# Altium PCB Logic.PcbDoc-4LayerBackup-214701022020.PcbDoc (continued)
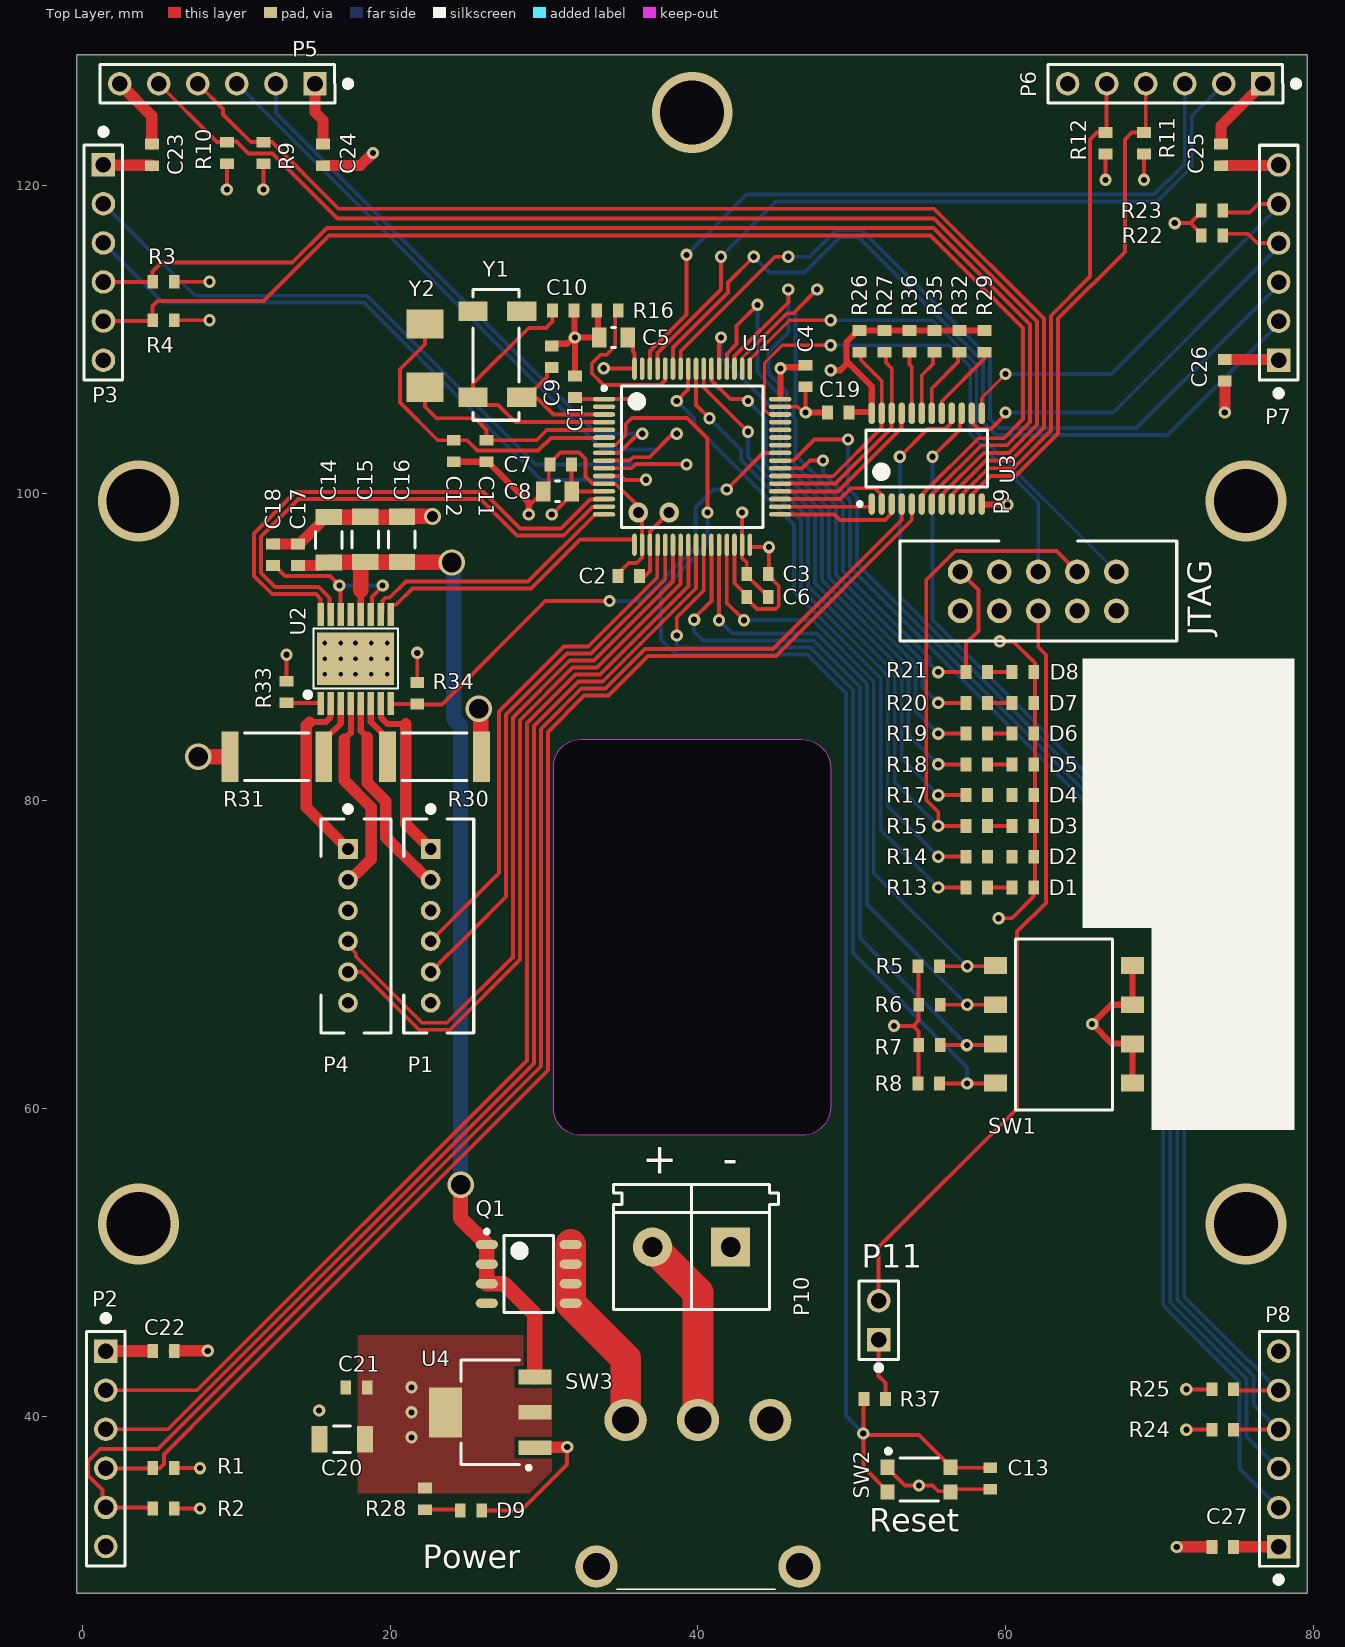
[diagram p0: Top Layer view]
## Footprints (in the part's own frame and the unit in brackets; to place one, negate y for a bottom-side part, rotate by r counter-clockwise, add the part's x,y. Pads: shape width x height; smd on the part's side, far side on the other; paste and mask are expansions set on the pad) (continued)
  silkscreen extent -5.85,-4.6 4.6,4.6, body extent -5,-5 5,5, height 1.6
PHOENIX_MKDS_5.08MM_2x1 [mm]
  rect 2.54x2.54 hole 1.27: 1(0,0)
  round 2.54 hole 1.27: 2(5.08,0)
  silkscreen extent -3.1,-4.06 7.62,4.06, body extent -3.12,-4.05 7.62,4.05, height 10
smd2-0 [mm] "2-SMD 3.2x5mm"
  rect 1.9x2.4 smd: 1(0,0) 2(4.1,0)
SO-8 [mm] "SO-8 Package"
  oval 1.45x0.6 smd: 1(-2.725,1.905) 2(-2.725,0.635) 3(-2.725,-0.635) 4(-2.725,-1.905) 5(2.725,-1.905) 6(2.725,-0.635) 7(2.725,0.635) 8(2.725,1.905)
  silkscreen extent -2.85,-2.5 1.6,2.88, body extent -3.08,-2.5 3.08,2.5, height 2
sot-223-4 [mm]
  rect 2.15x0.95 smd: 1(-2.9,2.3) 2(-2.9,0) 3(-2.9,-2.3)
  rect 2.15x3.25 smd: 4(2.9,0)
  silkscreen extent -2.63,-3.4 1.9,3.72, body extent -1.9,-3.4 1.9,3.4, height 1.1
tssop-24_0 [mm] "TSOP, 24-Leads, Body 7.80x4.40mm, Pitch 0.65mm, IPC Medium Density"
  oval 1.4x0.41 smd mask+0.065: 1(-2.95,3.575) 2(-2.95,2.925) 3(-2.95,2.275) 4(-2.95,1.625) 5(-2.95,0.975) 6(-2.95,0.325) 7(-2.95,-0.325) 8(-2.95,-0.975) 9(-2.95,-1.625) 10(-2.95,-2.275) 11(-2.95,-2.925) 12(-2.95,-3.575) 13(2.95,-3.575) 14(2.95,-2.925) 15(2.95,-2.275) 16(2.95,-1.625) 17(2.95,-0.975) 18(2.95,-0.325) 19(2.95,0.325) 20(2.95,0.975) 21(2.95,1.625) 22(2.95,2.275) 23(2.95,2.925) 24(2.95,3.575)
  silkscreen extent -3.07,-3.95 1.85,4.47, body extent -3.21,-3.85 3.22,3.85, height 1.11

## Part data
C1 C2 C3 C4 C7 C13 C17 C19 C21 C22 C23 C24 C25 C26 C27: library part CAP-00542, "CAP, 0.1uF, ±10%, 16V, X7R, 0603", Capacitance=0.1uF, Manufacturer=Murata, Tolerance=±10%, Voltage Rating=16V, Part Number=CAP-00542, Type=X7R
C5: library part CAP-00126, "CAP, 4.7uF, 10%, 10V, X7R, 0805", Capacitance=4.7uF, Manufacturer=Murata, Manufacturer PN=GRM21BR71A475KA73K, Tolerance=10%, Voltage Rating=10V, Part Number=CAP-00126, Type=X7R
C6 C18: library part CAP-00531, "CAP, 2.2uF, ±10%, 10V, X7R, 0603", Capacitance=2.2uF, Manufacturer=Murata, Manufacturer PN=GRM188R71A225KE15J, Tolerance=±10%, Voltage Rating=10V, Part Number=CAP-00531, Type=X7R
C8: library part CAP-00107, "CAP, 1uF, 10%, 16V, X7R, 0805", Capacitance=1uF, Manufacturer=Murata, Manufacturer PN=GRM21BR71C105KA01L, Tolerance=10%, Voltage Rating=16V, Part Number=CAP-00107, Type=X7R
C9 C10: library part CAP-00538, "CAP, 6pF, ±10%, 50V, C0G, 0603", Capacitance=6pF, Tolerance=±10%, Voltage Rating=50V, Part Number=CAP-00538, Type=C0G
C11 C12: library part CAP-00402, "CAP, 8pF, ±0.1pF, 50V, C0G, 0603", Capacitance=8pF, Manufacturer=Murata, Manufacturer PN=GRM1885C1H8R0BA01D, Tolerance=±0.1pF, Voltage Rating=50V, Part Number=CAP-00402, Type=C0G
C14 C15 C16 C20: library part CAP-00539, "CAP, 10uF, ±10%, 25V, X7R, 1206", Capacitance=10uF, Manufacturer=Samsung, Manufacturer PN=CL31B106KAHNNNE, Tolerance=±10%, Voltage Rating=25V, Part Number=CAP-00539, Type=X7R
D1 D2 D3 D4 D5 D6 D7 D8: library part DIO-00050, "LED, Green, 0603, Low current, HELI2 Series", Current Rating=30mA, Forward Voltage=2.65V, Manufacturer=Kingbright, Manufacturer PN=APT1608LZGCK, Power Rating=120mW, Reverse Breakdown Voltage=5V, Cost=0.58, Part Number=DIO-00050, Type=LED
D9: library part DIO-00049, "LED, Blue, 0603, Low current, HELI2 Series", Current Rating=30mA, Forward Voltage=2.65V, Manufacturer=Kingbright, Manufacturer PN=APT1608LVBC/D, Power Rating=120mW, Reverse Breakdown Voltage=5V, Cost=0.58, Part Number=DIO-00049, Type=LED
P1 P4: library part CONN-00017, "JST PHR 6x1", Manufacturer=JST, Levels=1, Part Number=CONN-00017, Positions per level=6, Type=Header
P2 P3 P5 P6 P7 P8: library part CONN-00008, "Header 6x1, 0.1\"", Levels=1, Part Number=CONN-00008, Positions per level=6
P9: library part CONN-00054, "Header, 10-pin IDC, 2.54mm Pitch", Manufacturer="CNC Tech", Manufacturer PN=3020-10-0100-00, Cost=0.58, Levels=2, Part Number=CONN-00054, Positions per level=5, Type=Header
P10: library part CONN-00014, "Term Blk, 2 Pos, 0.2\", 10A, 14-30 AWG, Rising Cage Clamp", Current=10, Manufacturer="Phoenix Contact", Manufacturer PN=1729128, Levels=1, Part Number=CONN-00014, Positions per level=2, Type="Terminal Block"
P11: library part CONN-00055, "Header, 2x1, 0.1\"", Manufacturer=Samtec, Manufacturer PN=TSW-102-07-F-S, Cost=0.2, Levels=1, Part Number=CONN-00055, Positions per level=2, Type=Header
Q1: library part XSTR-00033, "XSTR PFET, 8.8A, 30V, 2.5W, SOIC-8", Manufacturer="ON Semi", Manufacturer PN=FDS4435BZ, Max Current=8.8A, Max Power=2.5W, Max Voltage=30V, Part Number=XSTR-00033, Type=PFET, Vgs/Vce=2.1V
R1 R2 R3 R4 R9 R10 R11 R12 R22 R23 R24 R25 R26 R27 R29 R32 R33 R35 R36: library part RES-00284, "RES SMD 1.5K OHM 1% 1/4W 0603", Manufacturer=Panasonic, Manufacturer PN=ERJ-PA3F1501V, Power Rating=0.25W, Resistance=1.5k, Tolerance=1%, Part Number=RES-00284
R5 R6 R7 R8 R16 R37: library part RES-00236, "RES SMD 470 OHM 1% 1/4W 0603", Manufacturer=Panasonic, Manufacturer PN=ERJ-PA3F4700V, Power Rating=0.25W, Resistance=470, Tolerance=1%, Part Number=RES-00236
R13 R28: library part RES-00221, "RES SMD 330 OHM 1% 1/4W 0603", Manufacturer=Panasonic, Manufacturer PN=ERJ-PA3F3300V, Power Rating=0.25W, Resistance=330, Tolerance=1%, Part Number=RES-00221
R14 R15 R17 R18 R19 R20 R21: library part RES-00221, "RES SMD 330 OHM 1% 1/4W 0603", Manufacturer=Panasonic, Manufacturer PN=ERJ-PA3F3300V, Tolerance=1%, Part Number=RES-00221
R30 R31: library part RES-00692, "RES SMD 0.33 OHM 1% 1W 2512", Manufacturer=Panasonic, Manufacturer PN=ERJ-1TRQFR33U, Power Rating=1W, Resistance=0.33, Tolerance=1%, Cost=0.64, Part Number=RES-00692
R34: library part RES-00306, "RES SMD 10K OHM 1% 1/4W 0603", Manufacturer=Panasonic, Manufacturer PN=ERJ-PA3F1002V, Power Rating=0.25W, Resistance=10k, Tolerance=1%, Cost=0.144, Part Number=RES-00306
SW1: library part MISC-00026, "DIP Switch, SMD, 25mA, 24V", Manufacturer=Omron, Manufacturer PN=A6S-4104-H, Cost=1.51, Part Number=MISC-00026
SW2: library part MISC-00024, "Switch, SPST, Tactile, 32V 50mA", Manufacturer=C&K, Manufacturer PN="KMR621NG LFS", Cost=0.33, Part Number=MISC-00024
SW3: library part MISC-00033, "Switch, SPDT, 120VAC/28VDC, 5A, Horizontal Slide Switch", Current Rating=*A, Manufacturer=E-Switch, Manufacturer PN=500SSP1S1M6QEA, ComponentLink1Description="Manufacturer Link", ComponentLink1URL=http://www.apem.com, Cost=3.93, Part Number=MISC-00033
U1: library part UCTRL-00002, "STM32F4 Series, 32-bit ARM M4, 180MHz, LQFP64", Manufacturer=ST, Manufacturer PN=STM32F446RET6, Part Number=UCTRL-00002
U2: library part MISC-00022, "IC, Motor Driver, Quad Half-Bridge, 4-18V", Manufacturer=TI, Manufacturer PN=DRV8848PWPR, Cost=1.53, Part Number=MISC-00022
U3: library part IFACE-00001, "I2C 8-Channel Mux with Reset, TCA9548A", Manufacturer=TI, Cost=1.55, Manufacturer PN=TCA9548A, Part Number=IFACE-00001
U4: library part PWREG-00018, "REG, Linear, Fixed 3V3, 800mA, SOT-223", Manufacturer=TI, Manufacturer PN=LM1117MPX-3.3/NOPB, Max Current=800mA, Voltage Range In="4.5 - 15V", Voltage Range Out=3.3V, Cost=1.14, Fixed/Adj=Fixed, Part Number=PWREG-00018, Reg Type=Linear
Y1: library part OSC-00003, "XTAL, 32.768kHz, 6pF, 20ppm", Frequency=32.768k, Load Capacitance=6pF, Manufacturer=Abracon, Manufacturer PN=ABS25-32.768KHZ-6-T, Tolerance=20ppm, ESR=50k, Part Number=OSC-00003, Stability=*ppm
Y2: library part OSC-00000, "XTAL, 16MHz, 8pF, 50, 20ppm", Frequency=16M, Load Capacitance=8pF, Manufacturer=NDK, Manufacturer PN=NX5032GA-16MHZ-STD-CSK-4, Tolerance=20ppm, ESR=50, Part Number=OSC-00000, Stability=30ppm

## Via types
v1: diameter 0.8, hole 0.4, Top Layer to Bottom Layer, 84 vias
v2: diameter 0.61, hole 0.305, Top Layer to Bottom Layer, 15 vias
v3: diameter 5.25, hole 4.167, Top Layer to Bottom Layer, 5 vias
v4: diameter 1.72, hole 1.27, Top Layer to Bottom Layer, 4 vias
v5: diameter 1.27, hole 0.712, Top Layer to Bottom Layer, 2 vias
v6: diameter 1.1, hole 0.711, Top Layer to Bottom Layer, 1 vias

## Nets (pads, with @x,y where several pads share a name; then routed paths per layer and width w, separated by ;. In a path a pad name is that pad's centre, name@x,y a point inside that pad or via, vN(x,y) a via of type N, cw(c..) or ccw(c..) an arc to the next point about the centre after c; other vN are vias at no path point)
GND: C1.2 C2.2 C3.2 C4.2 C5.2 C6.2 C7.2 C8.2 C9.2 C10.2 C11.2 C12.2 C13.2 C14.2 C15.2 C16.2 C17.2 C18.2 C19.2 C20.2 C21.2 C22.2 C23.2 C24.2 C25.2 C26.2 C27.2 D1.1 D2.1 D3.1 D4.1 D5.1 D6.1 D7.1 D8.1 D9.1 P1.6 P2.6 P3.6 P4.6 P5.6 P6.6 P7.6 P8.6 P9.10 P10.1 Q1.4 R5.2 R6.2 R7.2 R8.2 R16.2 R30.2 R31.2 SW2.1 SW2.3 U1.12 U1.18 U1.31 U1.47 U1.63 U2.13 U2.17 U3.12 U4.1 | length 134.6
  Top Layer w0.254: C22.2@5.925,43.95 C22.2@5.925,44.25 ; D9.1@25.95,33.625 26.2,33.875 28.5,33.875 31.475,36.85 31.475,37.975 v1(31.5,38) ; v1(29,98.625) 29,99.175 C8.2 30.298,100.473 30.298,101.798 C7.2 30.375,101.975 31.052,102.652 32.26,102.652 32.694,102.219 32.694,101.081 33.142,100.634 33.891,100.634 U1.12 33.909,100.616 34.658,100.616 35.931,99.344 35.931,98.944 v5(36.125,98.75) 36.125,98.475 36.373,98.227 U1.18@36.373,97.152 ; C2.2@34.7,94.5 34.7,94.675 35.502,95.477 36.019,95.477 36.367,95.825 36.367,96.642 U1.18 ; U1.63 U1.63@36.384,108.109 ; U1.31 42.875,95.8 43.175,95.5 C3.2 43.175,94.65 44.252,93.573 44.352,93.573 44.575,93.35 C6.2 ; U1.31@42.875,96.817 v1(42.875,98.75) ; U1.47 46.477,105.625 46.852,105.25 v1(47,105.25) C4.2 ; SW2.1 52.325,36.625 53.45,35.5 v1(54.375,35.5) 55.25,35.5 55.625,35.125 56.425,35.125 SW2.3 56.6,35.25 C13.2 ; v1(52.75,65.375) 54,65.375 ; R8.2 54.325,61.65 54.325,64.1 R7.2 54.35,65.025 54,65.375 ; R5.2 54.325,69.225 54.325,66.775 R6.2 54.35,65.725 54,65.375 ; v1(59.55,72.375) 60.425,72.375 61.825,73.775 D1.1 ; v1(59.625,90.375) 60.5,90.375 61.9,88.975 D5.1@61.9,82.375 ; D1.1@61.9,74.375 D5.1@61.9,82.375 ; D6.1@61.9,84.375 D5.1@61.9,82.375 ; D7.1@61.9,86.375 D5.1@61.9,82.375
  Top Layer w0.4: C12.2 C11.2 26.35,102.05 29,99.4 v1(29,98.625) ; C9.2 30.65,109.725 31.492,109.725 31.892,110.125 v1(32,110.125) ; C10.2 31.975,111.85 31.975,110.15 v1(32,110.125) ; C1.2 v1(32,110.125) ; R16.2 33.5,111.8 33.5,110.2 C5.2 v1(32,110.125) ; v1(47,105.25) C19.2 C19.2@48.5,105.325 ; U3.12 58.45,99.28 58.455,99.275 60.1,99.275 v1(60.125,99.25)
  Top Layer w0.711: C18.2 C17.2 14.089,96.7 C14.2@15.506,98.116 ; C24.2 18.05,121.3 v1(18.875,122.125) ; C25.2 74.005,121.306 77.586,121.306 P7.6@77.625,121.345 ; C26.2@74.155,107.206 74.155,107.295 74.161,107.3 C26.2 ; v1(74.25,105.25) C26.2@74.25,107.05
  Top Layer w0.75: P5.6 4.5,124.53 C23.2 ; C22.2 v1(8.129,44.25) ; v1(15.375,40.375) v1@15.385,40.365 ; C20.2@15.385,38.515 C20.2 ; U4.1 29.425,37.975 v1@31.475,37.975 ; v1(71.125,31.5) C27.2
  Top Layer w1: v4(7.5,82.875) R31.2 ; C14.2 20.725,98.45 C16.2 20.775,98.5 v6(22.75,98.5) ; v4(25.75,86.001) 25.875,85.876 25.875,82.925 R30.2
  other v2: 15.729,88.234 16.77,88.234 17.736,88.234 18.752,88.234 19.793,88.234 15.729,89.25 16.77,89.25 17.736,89.25 18.752,89.25 19.793,89.25 15.729,90.266 16.77,90.266 17.736,90.266 18.752,90.266 19.793,90.266
  other v3: 3.625,52.5 75.625,52.5 3.625,99.5 75.625,99.5 39.625,124.75
I2C_RST: U1.33 U3.3 | length 8.1
  Top Layer w0.254: U1.33 48.878,98.625 49.23,98.273 52.17,98.273 52.57,98.673 52.57,99.249 U3.3@52.56,99.26
I2C_SCL: R27.2 U1.37 U3.22 | length 13.9
  Top Layer w0.254: U1.37 48.954,100.625 52.57,104.241 52.57,105.17 U3.22 52.6,108.125 52.225,108.5 52.225,109.175 R27.2
I2C_SDA: R26.2 U1.38 U3.23 | length 13.5
  Top Layer w0.254: U1.38 47.234,101.125 47.25,101.109 48.796,101.109 51.92,104.233 51.92,104.894 51.95,104.924 U3.23 51.95,107.3 50.6,108.65 50.6,109.175 R26.2
I2C_SEL0: U1.34 U3.1 | length 6.1
  Top Layer w0.2: U3.1@51.25,99.125 51.25,99.25 U3.1
  Top Layer w0.254: U1.34 U3.1@51.25,99.125
I2C_SEL1: U1.35 U3.2 | length 7.6
  Top Layer w0.254: U1.35 49.238,99.625 49.94,100.327 51.52,100.327 51.92,99.927 51.92,99.351 U3.2@51.91,99.34
I2C_SEL2: U1.36 U3.21 | length 10.5
  Top Layer w0.254: U1.36 49.096,100.125 53.22,104.249 53.22,105.17 U3.21
JTAG_RST: P9.6 P11.2 | length 49.6
  Top Layer w0.254: P11.2 51.75,50.989 60.75,59.989 60.75,71.5 62.625,73.375 62.625,89.5 62.125,90 P9.6
JTAG_TCK: P9.1 U1.49 | length 34.8
  Top Layer w0.2: U1.49 43.375,108.675 45.95,111.25 v1(48.625,111.25)
  Bottom Layer w0.2: v1(48.625,111.25) 55.25,111.25 58.103,108.397 58.103,103.997 P9.1
JTAG_TMS: P9.5 U1.46 | length 33.8
  Top Layer w0.2: U1.46 45.331,105.144 44.619,105.144 44.325,105.439 44.325,108.474 45.476,109.625 v1(48.625,109.625)
  Bottom Layer w0.2: v1(48.625,109.625) 56.309,109.625 57.703,108.231 57.703,103.831 62.125,99.409 P9.5
LED_0: R13.1 U1.57 | length 42.7
  Top Layer w0.254: v1(38.625,106) 39.366,106.741 39.366,108.091 U1.57 ; v1(55.625,74.375) R13.1@57.25,74.375
  Bottom Layer w0.254: v1(38.625,106) 39.734,104.891 39.734,104.454 46.257,97.931 46.257,93.597 51.885,87.97 51.885,78.115 v1(55.625,74.375)
LED_1: R14.1 U1.56 | length 40
  Top Layer w0.254: U1.56 39.875,105.75 v1(40.75,104.875) ; v1(55.625,76.375) R14.1
  Bottom Layer w0.254: v1(40.75,104.875) 42.796,102.829 42.796,102.165 46.711,98.25 46.711,93.785 52.339,88.158 52.339,79.661 v1(55.625,76.375)
LED_2: P9.3 R15.1 U1.55 | length 65.1
  Top Layer w0.254: U1.55 40.375,106.875 v1(43.25,104) ; R15.1@57.25,78.375 v1(55.625,78.375) 55.625,79.27 54.844,80.052 54.844,94.364 56.73,96.25 63.31,96.25 P9.3
  Bottom Layer w0.254: v1(43.25,104) 43.25,102.353 47.165,98.438 47.165,93.973 52.793,88.346 52.793,81.207 v1(55.625,78.375)
LED_3: R17.1 U1.54 | length 36.2
  Top Layer w0.254: U1.54 40.884,108.091 40.884,107.342 42.1,106.125 43.126,106.125 v1(43.25,106.001) ; v1(55.625,80.375) R17.1
  Bottom Layer w0.254: v1(43.25,106.001) 44.403,104.848 44.403,101.842 47.619,98.626 47.619,94.161 53.247,88.534 53.247,82.753 v1(55.625,80.375)
LED_4: R18.1 U1.53 | length 37.5
  Top Layer w0.254: U1.53 41.375,110 v1(41.5,110.126) ; v1(55.625,82.375) R18.1
  Bottom Layer w0.254: v1(41.5,110.126) 41.5,108.855 44.857,105.498 44.857,102.03 48.073,98.814 48.073,94.35 53.701,88.722 53.701,84.299 v1(55.625,82.375)
LED_5: R19.1 U1.52 | length 39.5
  Top Layer w0.254: U1.52 41.884,108.109 41.884,109.072 42.516,109.705 42.516,110.891 v1(43.875,112.25) ; v1(55.625,84.375) R19.1
  Bottom Layer w0.254: v1(43.875,112.25) 43.875,107.866 45.311,106.43 45.311,102.218 48.527,99.002 48.527,94.538 54.155,88.91 54.155,85.845 v1(55.625,84.375)
LED_6: R20.1 U1.51 | length 40.4
  Top Layer w0.254: U1.51 42.384,108.109 42.384,108.93 45.875,112.421 v1(45.875,113.25) ; v1(55.625,86.375) R20.1
  Bottom Layer w0.254: v1(45.875,113.25) 45.875,110.466 44.588,109.179 44.588,107.795 45.765,106.618 45.765,102.406 48.981,99.19 48.981,94.726 54.609,89.098 54.609,87.391 v1(55.625,86.375)
LED_7: P9.9 R21.1 U1.50 | length 46
  Top Layer w0.2: U1.50 42.894,108.119 42.894,108.831 43.328,109.265 43.36,109.265
  Top Layer w0.254: 43.36,109.265 45.798,111.702 46.202,111.702 v1(47.75,113.25) ; v1(55.625,88.375) R21.1 57.425,90.259 58.226,91.06 58.226,93.714 P9.9
  Bottom Layer w0.254: v1(47.75,113.25) 46.329,111.829 46.329,105.684 46.219,105.573 46.219,104.927 46.329,104.816 46.329,102.484 49.435,99.378 49.435,94.914 55.063,89.286 55.063,88.937 v1(55.625,88.375)
M0_PWM0: U1.14 U2.16 | length 34.4
  Top Layer w0.254: U2.16 15.475,93.133 15.162,93.446 12.325,93.446 11.144,94.627 11.144,97.373 13.849,100.079 26.046,100.079 28.421,97.704 31.087,97.704 32.985,99.602 33.877,99.602 U1.14
M0_PWM1: U1.15 U2.15 | length 33.7
  Top Layer w0.254: U2.15 16.042,92.212 16.042,93.208 15.351,93.899 12.513,93.899 11.598,94.815 11.598,97.185 14.038,99.625 25.858,99.625 28.233,97.25 31.275,97.25 33.142,99.116 33.891,99.116 U1.15
M0_QA: P4.4 U1.22 | length 47
  Top Layer w0.254: P4.4 17.25,70.6 17.751,70.099 17.751,69.891 22.063,65.579 23.687,65.579 27.974,69.866 27.974,85.433 31.664,89.123 33.245,89.123 38.375,94.253 U1.22
M0_QB: P4.5 U1.23 | length 46.8
  Top Layer w0.254: P4.5 18.125,68.875 21.875,65.125 23.875,65.125 28.428,69.678 28.428,76.125 28.428,85.245 31.852,88.669 33.433,88.669 38.875,94.111 U1.23
M1_PWM0: U1.17 U2.9 | length 18.6
  Top Layer w0.254: U2.9 20.025,92.137 20.103,92.215 20.103,92.591 20.025,92.669 20.108,92.752 20.377,92.752 21.43,93.805 29.147,93.805 32.342,97 35.898,97 35.898,96.65 U1.17
M1_PWM1: U1.16 U2.10 | length 17.7
  Top Layer w0.254: U2.10 19.488,92.242 19.488,93.014 19.68,93.206 19.956,93.206 21.009,94.259 28.959,94.259 33.325,98.625 U1.16
M1_QA: P1.4 U1.20 | length 32.8
  Top Layer w0.254: P1.4 27.066,75.316 27.066,85.809 31.288,90.031 32.869,90.031 37.352,94.515 U1.20@37.352,96.65
M1_QB: P1.5 U1.21 | length 35
  Top Layer w0.254: P1.5 25.171,71.421 27.52,73.77 27.52,85.621 31.476,89.577 33.057,89.577 37.875,94.396 U1.21
MD0_A: P4.1 U2.2 | length 11.8
  Top Layer w0.4: 14.75,85.125 15.797,85.125 16.115,85.443 16.115,86.319 U2.2
  Top Layer w0.75: 14.75,85.125 14.55,84.925 14.55,79.575 P4.1
MD0_B: P4.2 U2.4 | length 13.2
  Top Layer w0.4: 17,84 17.435,84.435 17.435,86.319 U2.4
  Top Layer w0.7: P4.2@17.126,74.875 P4.2
  Top Layer w0.75: 17,84 17,81.343 18.75,79.593 18.75,76.215 17.91,75.375 17.891,75.375 17.391,74.875 P4.2
MD1_A: P1.1 U2.7 | length 11.5
  Top Layer w0.4: U2.7 19.385,86.319 19.385,85.443 19.828,85 21,85
  Top Layer w0.75: 21,85 21,78.5 P1.1
MD1_B: P1.2 U2.5 | length 13.4
  Top Layer w0.4: U2.5 18.075,84.55 18.5,84.125
  Top Layer w0.75: 18.5,84.125 18.5,81.187 19.7,79.987 19.7,77.64 21.729,75.611 21.748,75.611 22.484,74.875 P1.2
MX_FAULT: R34.1 U1.41 U2.8 | length 33.6
  Top Layer w0.25: U2.8 U2.8@20.054,86.3
  Top Layer w0.254: U2.8@20.054,86.3 R34.1 21.775,86.275 23.35,86.275 30.075,93 v1(34.25,93) ; v1(41.875,100.25) 44.241,102.616 45.341,102.616 U1.41
  Bottom Layer w0.254: v1(34.25,93) 36.323,93 39.844,96.521 39.844,99.074 41.02,100.25 v1(41.875,100.25)
NetC9_1: C9.1 U1.3 Y1.1 | length 8.1
  Top Layer w0.254: Y1.1 28.867,106.25 30.177,107.56 30.177,107.952 30.4,108.175 C9.1 ; Y1.1@29.25,106.162 29.567,106.162 30.604,105.125 U1.3
NetC10_1: C10.1 U1.4 Y1.2 | length 18.1
  Top Layer w0.254: C10.1 30.55,111.175 30.125,110.75 29,110.75 25.375,107.125 25.375,106.568 25.692,106.25 Y1.2 25.883,105.742 27.008,105.742 28.125,104.625 U1.4
NetC11_1: C11.1 U1.5 Y2.1 | length 14.5
  Top Layer w0.254: Y2.1 22.25,105.625 23,104.875 25.5,104.875 26.25,104.125 C11.1 29.494,103.45 30.169,104.125 U1.5
NetC12_1: C12.1 U1.6 Y2.2 | length 22.9
  Top Layer w0.254: Y2.2@23.323,110.177 22.5,111 Y2.2 22,111 22.25,110.75 22.25,109.687 20.625,108.062 20.625,105.913 23.088,103.45 C12.1 24.988,103.45 25.665,102.773 29.605,102.773 30.434,103.602 U1.6@34.375,103.602
NetC13_1: C13.1 R37.1 SW2.2 SW2.4 U1.7 | length 100.7
  Top Layer w0.254: U1.7 33.909,103.134 34.658,103.134 35.306,103.782 35.306,104.493 35.704,104.891 39.296,104.891 40.625,103.562 v1(40.625,98.75) ; R37.1 50.75,41.075 v1(50.75,38.875) ; SW2.2 52.325,35.125 50.75,36.7 v1(50.75,38.875) ; C13.1 56.45,36.65 SW2.4 56.425,36.725 54.375,38.775 50.85,38.775 v1(50.75,38.875)
  Bottom Layer w0.254: v1(40.625,98.75) 40.625,96.66 37.609,93.644 37.609,90.499 38.595,89.513 47.131,89.513 49.615,87.029 49.615,40.01 v1(50.75,38.875)
NetC18_1: C18.1 U2.11 U2.14 | length 11.7
  Top Layer w0.254: C18.1@12.275,95.3 C18.1 12.475,95.3 13.157,94.618 16.07,94.618 v1(16.687,94) ; v1@16.763,93.862 16.763,92.142 U2.14 ; U2.11 18.808,92.212 18.808,93.263 19.5,93.955 v1(19.5,94)
  Bottom Layer w0.254: v1(16.687,94) v1(19.5,94)
NetD1_2: D1.2 R13.2 | length 1.7
  Top Layer w0.254: R13.2 D1.2@60.5,74.375
NetD2_2: D2.2 R14.2
NetD3_2: D3.2 R15.2 | length 1.7
  Top Layer w0.254: R15.2 D3.2@60.5,78.375
NetD4_2: D4.2 R17.2
NetD5_2: D5.2 R18.2 | length 1.7
  Top Layer w0.254: R18.2 D5.2@60.5,82.375
NetD6_2: D6.2 R19.2 | length 1.6
  Top Layer w0.254: R19.2 D6.2
NetD7_2: D7.2 R20.2 | length 1.6
  Top Layer w0.254: R20.2 D7.2
NetD8_2: D8.2 R21.2 | length 1.6
  Top Layer w0.254: R21.2 D8.2
NetD9_2: D9.2 R28.2 | length 2.3
  Top Layer w0.254: R28.2 24.5,33.925 D9.2
NetP10_2: P10.2 SW3.2 | length 12.5
  Top Layer w2: P10.2 40,48.045 SW3.2
NetP11_1: P11.1 R37.2 | length 4
  Top Layer w0.254: P11.1 51.75,42.625 52.2,42.175 R37.2
NetQ1_5: Q1.5 Q1.6 Q1.7 Q1.8 SW3.3 | length 12.9
  Top Layer w2: Q1.8 Q1.7 Q1.6 Q1.5 35.3,43.77 SW3.3
NetR16_1: R16.1 U1.60 | length 11
  Top Layer w0.254: R16.1 34.623,111.673 34.623,109.586 34.044,109.007 33.652,109.007 33.094,108.449 33.094,107.802 33.847,107.048 37.573,107.048 37.866,107.342 37.866,108.091 U1.60
NetR29_1: R29.1 U3.17 | length 5.1
  Top Layer w0.254: U3.17 55.85,105.975 58.625,108.75 R29.1
NetR30_1: R30.1 U2.6 | length 3.9
  Top Layer w0.4: U2.6 18.725,85.15 R30.1@19.825,84.05
  Top Layer w0.7: R30.1 R30.1@19.825,84.05
NetR31_1: R31.1 U2.3 | length 3.9
  Top Layer w0.4: R31.1@15.875,84.125 16.775,85.025 U2.3
  Top Layer w0.7: R31.1 15.875,83.075 R31.1@15.875,84.125
NetR32_1: R32.1 U3.18 | length 4.8
  Top Layer w0.254: U3.18 55.2,106.825 56.9,108.525 56.9,109.175 R32.1
NetR33_1: R33.1 U2.1 | length 2.2
  Top Layer w0.254: R33.1 15.429,86.375 U2.1
NetR35_1: R35.1 U3.19 | length 4.4
  Top Layer w0.254: U3.19 54.579,105.229 54.579,105.76 54.55,105.789 54.55,107.675 55.275,108.4 55.275,109.175 R35.1
NetR36_1: R36.1 U3.20 | length 4
  Top Layer w0.254: R36.1 53.75,108.375 53.9,108.225 U3.20
OPT_A: R8.1 SW1.8 U1.26 | length 52.2
  Top Layer w0.254: v1(38.625,90.75) 38.625,91.935 40.375,93.685 U1.26 ; R8.1 59.305,61.625 SW1.8
  Bottom Layer w0.254: v1(38.625,90.75) 38.625,90.125 38.783,89.967 47.319,89.967 50.069,87.217 50.069,70.102 57.5,62.671 v1(57.5,61.625)
OPT_B: R7.1 SW1.7 U1.27 | length 48.2
  Top Layer w0.254: v1(39.75,91.781) 39.75,91.875 40.875,93 U1.27 ; R7.1@55.7,64.125 v1(57.483,64.125) 59.265,64.125 SW1.7
  Bottom Layer w0.254: v1(39.75,91.781) 39.75,91 40.329,90.421 47.507,90.421 50.523,87.405 50.523,71.102 57.483,64.143 v1(57.483,64.125)
OPT_C: R6.1 SW1.6 U1.28 | length 43.4
  Top Layer w0.254: v1(41.375,91.75) U1.28 ; R6.1 v1(57.505,66.75) ; v1@57.525,66.75 SW1.6
  Bottom Layer w0.254: v1(41.375,91.75) 42.25,90.875 47.695,90.875 50.977,87.593 50.977,73.273 57.5,66.75 v1(57.505,66.75) v1@57.525,66.75
OPT_D: R5.1 SW1.5 U1.29 | length 40.2
  Top Layer w0.254: U1.29 41.875,92.875 v1(43,91.75) ; R5.1 v1(57.505,69.25) 59.31,69.25 SW1.5
  Bottom Layer w0.254: v1(43,91.75) 47.462,91.75 51.431,87.781 51.431,75.324 v1(57.505,69.25)
S0_INT: P2.2 U1.24 | length 75.1
  Top Layer w0.254: P2.2 7.444,41.69 28.882,63.128 28.882,76.313 28.882,85.057 32.04,88.215 33.621,88.215 39.375,93.969 U1.24
S0_SCL: P2.4 R1.2 U3.5 | length 92.2
  Top Layer w0.254: P2.4 4.989,36.61 5.277,36.898 5.277,37.523 8.987,41.233 29,61.246 30.244,62.49 30.244,76.877 30.244,84.493 32.604,86.853 34.185,86.853 36.753,89.421 45.063,89.421 53.9,98.258 U3.5
S0_SDA: P2.5 R2.2 U3.4 | length 98.7
  Top Layer w0.254: R2.2 4.484,34.07 P2.5 1.284,34.289 1.284,35.213 0.361,36.137 0.361,37.083 1.133,37.856 4.894,37.856 29.79,62.752 29.79,76.689 29.79,84.681 32.416,87.307 33.997,87.307 36.565,89.875 44.875,89.875 53.25,98.25 U3.4
S0_XS: P2.3 U1.25 | length 76.7
  Top Layer w0.254: P2.3 5.546,39.15 29.336,62.94 29.336,76.501 29.336,84.869 32.228,87.761 33.809,87.761 39.875,93.827 U1.25
S1_INT: P3.2 U1.10 | length 50.4
  Top Layer w0.254: U1.10 35.698,101.625 35.964,101.891 39.235,101.891 v1(39.25,101.876)
  Bottom Layer w0.254: P3.2 7.321,112.844 18.485,112.844 29.453,101.876 v1(39.25,101.876)
S1_SCL: P3.4 R3.2 U3.7 | length 80
  Top Layer w0.254: P3.4 4.535,113.735 R3.2 4.55,114.425 5.125,115 13.625,115 15.875,117.25 55.324,117.25 61.595,110.979 61.595,104.641 60.079,103.125 58.428,103.125 55.318,100.015 55.318,99.955 55.2,99.837 U3.7
S1_SDA: P3.5 R4.2 U3.6 | length 80.4
  Top Layer w0.254: P3.5 R4.2@4.48,111.195 ; R4.2@4.495,111.07 4.55,111.125 4.55,112.175 4.875,112.5 11.767,112.5 16.017,116.75 55.125,116.75 61.141,110.734 61.141,104.829 59.891,103.579 58.232,103.579 54.668,100.015 54.668,99.955 54.55,99.837 U3.6
S1_XS: P3.3 U1.11 | length 44.5
  Top Layer w0.254: U1.11 35,101.125 35.25,100.875 v1(36.625,100.875)
  Bottom Layer w0.254: P3.3 5.235,112.39 18.297,112.39 29.812,100.875 v1(36.625,100.875)
S2_INT: P5.2 U1.8 | length 37.3
  Top Layer w0.254: U1.8 34.875,102.625 36.125,103.875 v1(36.375,103.875)
  Bottom Layer w0.254: P5.2 12.565,124.727 33.417,103.875 v1(36.375,103.875)
S2_SCL: P5.4 R9.2 U3.9 | length 77.1
  Top Layer w0.254: P5.4 9.127,124.983 9.127,124.623 10.925,122.825 R9.2 12.3,122.825 16.625,118.5 55.358,118.5 62.503,111.355 62.503,104.265 60.363,102.125 58.728,102.125 56.618,100.015 56.618,99.955 56.5,99.837 U3.9
S2_SDA: P5.5 R10.2 U3.8 | length 78.9
  Top Layer w0.254: P5.5 8.745,122.825 R10.2 9.425,122.875 10,122.875 10.773,122.102 12.335,122.102 16.562,117.875 55.341,117.875 62.049,111.167 62.049,104.453 60.221,102.625 58.578,102.625 55.968,100.015 55.968,99.955 55.85,99.837 U3.8
S2_XS: P5.3 U1.9 | length 44.3
  Top Layer w0.254: U1.9 35.556,102.125 35.776,102.345 36.845,102.345 38.375,103.875 v1(38.625,103.875)
  Bottom Layer w0.254: P5.3 33.791,102.859 37.359,102.859 38.375,103.875 v1(38.625,103.875)
S3_INT: P6.2 U1.61 | length 48.3
  Top Layer w0.254: U1.61 37.384,108.109 37.384,109.125 41.5,113.241 v1(41.5,115.375)
  Bottom Layer w0.254: v1(41.5,115.375) 45.084,118.959 69.834,118.959 72.104,121.229 72.104,124.539 P6.2
S3_SCL: P6.4 R11.2 U3.11 | length 33.4
  Top Layer w0.254: U3.11@57.8,99.326 57.8,99.837 57.918,99.955 57.918,100.015 59.028,101.125 60.647,101.125 63.411,103.889 63.411,111.355 67.75,115.694 67.75,123 68.2,123.45 R11.2 69.11,123.56 P6.4
S3_SDA: P6.5 R12.2 U3.10 | length 32
  Top Layer w0.254: U3.10@57.15,99.78 57.15,99.837 57.268,99.955 57.268,100.015 58.878,101.625 60.505,101.625 62.957,104.077 62.957,111.543 65.5,114.086 65.5,123 65.95,123.45 R12.2 66.57,123.52 P6.5
S3_XS: P6.3 U1.62 | length 48.5
  Top Layer w0.254: U1.62@36.884,108.109 U1.62 36.875,109.258 39.25,111.633 v1(39.25,115.5)
  Bottom Layer w0.254: v1(39.25,115.5) 43.163,119.413 69.646,119.413 71.65,121.417 P6.3
S4_INT: P7.2 U1.59 | length 55.7
  Top Layer w0.254: U1.59 38.384,108.109 38.384,109.483 41.954,113.053 41.954,113.704 v1(43.625,115.375)
  Bottom Layer w0.254: v1(43.625,115.375) 44.641,114.359 46.938,114.359 49.25,116.671 50.437,116.671 58.53,108.578 58.53,104.641 59.391,103.78 70.53,103.78 77.625,110.875 P7.2@77.625,111.185
S4_SCL: P7.4 R22.2 U3.14 | length 30.1
  Top Layer w0.254: U3.14 57.8,104.663 57.918,104.545 57.918,104.485 58.23,104.173 59.048,104.173 60,105.125 v1(60,105.25) v1@59.747,105.25 ; R22.2 74.125,116.65 74.35,116.875 75.75,116.875 76.36,116.265 P7.4@77.625,116.265
  Bottom Layer w0.254: v1(60,105.25) 67,105.25 77.625,115.875 P7.4@77.625,116.265
S4_SDA: P7.5 R23.2 U3.13 | length 29.6
  Top Layer w0.2: U3.13 58.45,106.2 v1(60,107.75)
  Top Layer w0.254: R23.2 74.125,118.475 74.35,118.25 75.875,118.25 76.43,118.805 P7.5@77.625,118.805
  Bottom Layer w0.254: v1@59.875,107.75 v1(60,107.75) 66.875,107.75 77.625,118.5 P7.5@77.625,118.805
S4_XS: P7.3 U1.58 | length 54.9
  Top Layer w0.254: U1.58 38.884,108.109 38.884,109.259 45,115.375 v1(45.875,115.375)
  Bottom Layer w0.254: v1(45.875,115.375) 47.25,115.375 49,117.125 50.625,117.125 58.984,108.766 58.984,104.829 59.579,104.234 63.859,104.234 63.875,104.25 68.5,104.25 77.625,113.375 P7.3@77.625,113.725
S5_INT: P8.2 U1.39 | length 83.3
  Top Layer w0.254: U1.39 46.774,101.625 47.274,102.125 v1(48.125,102.125)
  Bottom Layer w0.254: v1(48.125,102.125) 48.125,101.33 49.889,99.566 49.889,95.215 70.25,74.855 70.25,47.199 75.217,42.232 75.217,36.593 P8.2
S5_SCL: P8.4 R24.2 U3.16 | length 81.3
  Top Layer w0.254: v1(53.125,102.375) 54.923,104.173 56.07,104.173 56.382,104.485 56.382,104.545 56.5,104.663 U3.16 ; R24.2 74.84,39.14 P8.4
  Bottom Layer w0.254: v1(53.125,102.375) 53.125,93.264 71.158,75.231 71.158,47.575 76.125,42.608 76.125,40.765 P8.4
S5_SDA: P8.5 R25.2 U3.15 | length 76.6
  Top Layer w0.254: v1(55.25,102.375) 57.032,104.157 57.032,104.545 57.15,104.663 U3.15 ; R25.2 74.895,41.68 P8.5
  Bottom Layer w0.254: v1(55.25,102.375) 55.25,91.781 71.612,75.419 71.612,47.763 75.823,43.552 75.878,43.552 P8.5
S5_XS: P8.3 U1.40 | length 83.5
  Top Layer w0.254: U1.40 45.359,102.134 46.211,102.134 47.577,103.5 v1(49.75,103.5)
  Bottom Layer w0.254: v1(49.75,103.5) 49.75,100.347 50.343,99.754 50.343,95.403 70.704,75.043 70.704,47.387 75.671,42.42 75.671,38.679 P8.3
VBAT_SWITCHED: C14.1 C15.1 C16.1 C17.1 Q1.1 Q1.2 Q1.3 U2.12 U4.3 | length 69.4
  Top Layer w0.4: U2.12 18.075,93.7
  Top Layer w0.711: C17.1 14.005,95.305 15.48,95.305 15.675,95.5 C14.1
  Top Layer w0.75: U4.3 U4.3@29.425,42.525
  Top Layer w1: C14.1 16.025,95.525 C15.1@18.15,95.525 ; 18.075,93.7 18.075,95.45 C15.1@18.15,95.525 ; v4(24,95.5) 23.988,95.512 20.763,95.512 C16.1 C15.1 C15.1@18.15,95.525 ; v4(24.567,55.058) 24.567,52.863 Q1.1 Q1.2 Q1.3 27.385,48.615 29.4,46.6 U4.3
  Bottom Layer w1: v4(24,95.5) 24.136,95.364 24.136,85.332 24.567,84.902 v4(24.567,55.058)
VCC: C1.1 C2.1 C3.1 C4.1 C5.1 C6.1 C7.1 C8.1 C19.1 C20.1 C21.1 C22.1 C23.1 C24.1 C25.1 C26.1 C27.1 P1.3 P2.1 P3.1 P4.3 P5.1 P6.1 P7.1 P8.1 P9.4 R1.1 R2.1 R3.1 R4.1 R9.1 R10.1 R11.1 R12.1 R22.1 R23.1 R24.1 R25.1 R26.1 R27.1 R28.1 R29.2 R32.2 R33.2 R34.2 R35.2 R36.2 SW1.1 SW1.2 SW1.3 SW1.4 U1.1 U1.13 U1.19 U1.30 U1.32 U1.48 U1.64 U3.24 U4.2 U4.4 | length 109.6
  Top Layer w0.254: R4.1@5.95,111.125 6.075,111.25 v1(8.25,111.25) ; R3.1 v1(8.25,113.75) v1@8.375,113.75 ; R2.1 v1(7.629,34) ; R1.1 v1(7.629,36.625) ; v1(9.375,119.75) R10.1 ; v1(11.75,119.75) R9.1 ; R33.2 v1(13.25,89.5) ; R34.2 v1(21.75,89.625) ; v1(30.5,98.625) 32,100.125 U1.13 ; C7.1 31.775,100.15 C8.1 ; C1.1 32.091,106.134 33.891,106.134 U1.1 33.909,106.116 35.884,106.116 v1(36,106) ; v1(33.875,108.125) 35.854,108.125 35.866,108.137 35.866,109.125 35.773,109.218 35.773,109.777 C5.1 ; C2.1@36.55,94.625 36.875,94.95 U1.19 36.881,96.656 36.881,97.506 v5(38.125,98.75) ; U1.30 42.375,94.15 43.175,93.35 C6.1 43.175,93.15 43.852,92.473 45.06,92.473 45.252,92.665 45.252,93.973 44.575,94.65 C3.1 ; U1.32 43.375,96.521 43.396,96.5 v1(44.625,96.5) C3.1@44.625,94.75 ; U1.48 U1.48@45.354,106.125 ; v1(66.5,120.375) R12.1 ; v1(69,120.375) R11.1 ; v1(71,117.563) 72.012,117.563 72.725,116.85 R22.1 ; v1@71,117.625 v1@71.025,117.6 ; v1(71.75,39.125) R24.1 ; v1(71.75,41.75) R25.1 ; 72.013,117.563 72.725,118.275 R23.1
  Top Layer w0.4: U1.48@45.359,106.175 45.359,108.109 v1(45.369,108.119) 45.445,108.195 46.87,108.195 C4.1 ; v1(48.625,108) 49.25,108 49.65,108.4 49.65,108.6 ; C19.1@49.825,105.375 49.912,105.288 U3.24@51.295,105.288 ; U3.24 51.3,105.283 U3.24@51.295,105.288 ; R29.2 R32.2 R35.2 R36.2 R27.1 R26.1 50.4,110.575 49.65,109.825 49.65,108.6 ; SW1.1 SW1.2 68.235,64.225 66.9,64.225 v1(65.625,65.5) 66.875,66.75 SW1.3 SW1.4 ; 49.65,108.6 51.295,106.955 U3.24@51.295,105.288
  Top Layer w0.711: P5.1@15.115,126.615 P5.1 15.105,124.77 15.625,124.25 C24.1 ; C25.1 74,123.895 P6.1 ; C26.1 74.255,108.695 77.575,108.695 P7.1@77.625,108.645
  Top Layer w0.75: P3.1 1.38,121.325 4.475,121.325 C23.1 ; P2.1 1.514,44.24 4.319,44.24 C22.1@4.329,44.25 ; C27.1@75.05,31.535 75.058,31.528 77.728,31.528 77.735,31.535 P8.1
  other v1: 21.375,38.625 21.375,40.25 21.375,41.875
pads on no net: P9.2 P9.7 P9.8 SW3.0 SW3.1 U1.2 U1.42 U1.43 U1.44 U1.45 Y1.3 Y1.4

## Polygon pours and split planes (outlines as drawn)
VCC on Top Layer "Top Layer-VCC" (solid, pour order 6): 17.875,45.25 17.875,35 30.5,35 30.5,45.25
no net on Top Overlay (solid): 65,89.25 65,71.75 69.5,71.75 69.5,58.625 78.75,58.625 78.75,89.25
GND on GND (split plane): 79.115,127.99 79.115,29.01 0.135,29.01 0.135,127.99
VCC on VCC (split plane): 79.115,127.99 79.115,29.01 0.135,29.01 0.135,127.99

## Silkscreen, mask and mechanical layers (free items; w line width, h text height)
Top Overlay:
  text "JTAG" at 73.375,90.75 h1.52 r90
  text "+" at 36.375,55.75 h2
  text "-" at 41.625,55.75 h2
  text "Reset" at 51.125,32.5 h1.52
  text "Power" at 22.125,30.125 h1.52